# Altium PCB 2-quilter-output.pcbdoc (part 13 of 17)
Units mil, origin at the board's own origin, x right, y up, seen from the top; angles counter-clockwise.
Board outline 2728 x 2217 mil, 8 copper layers (L1_TOP, L2_GND, L3_INNER1, L4_GND, L5_PWR, L6_PWR, L7_GND, L8_BOT), stack 48.64 mil thick; 230 components, 327 nets, 1592 pads, 995 vias.
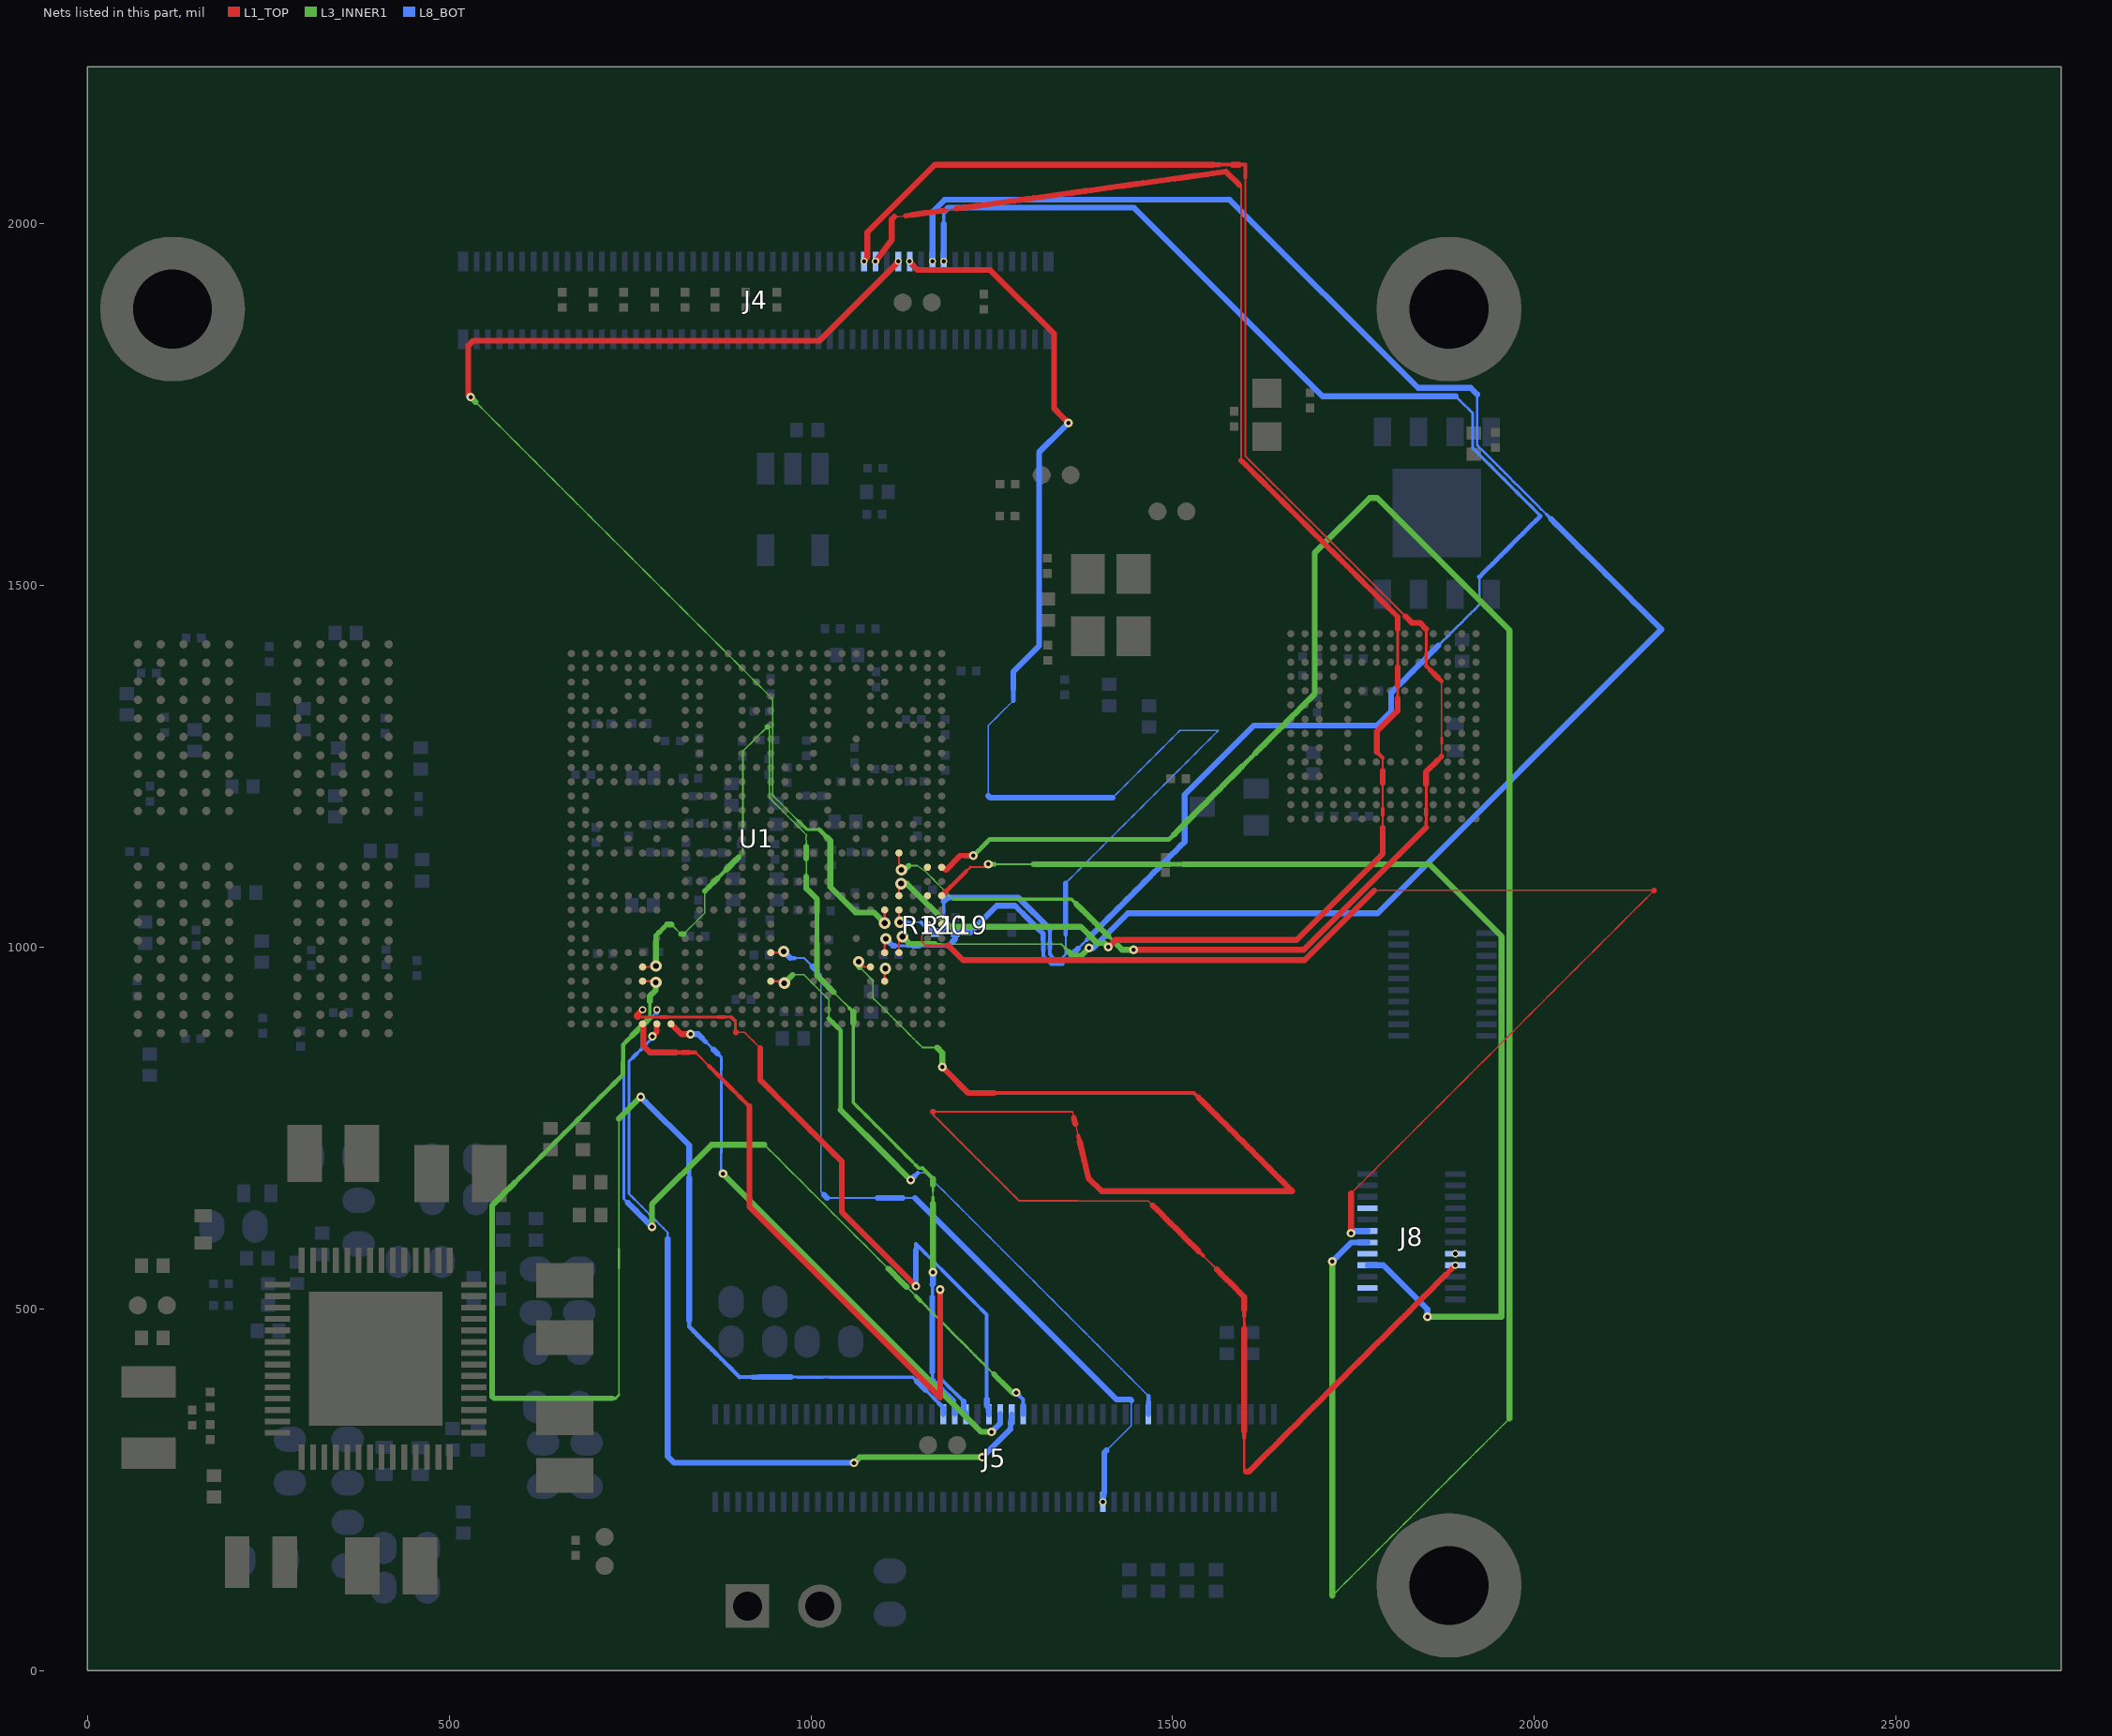
[diagram p19: the nets of this part, all layers, seen from the top]

## Via types
v1: diameter 12.01, hole 5.91, L1_TOP to L8_BOT, tented both sides, 409 vias
v2: diameter 16, hole 8, L1_TOP to L8_BOT, tented both sides, 329 vias
v3: diameter 10, hole 6, L1_TOP to L8_BOT, tented both sides, 205 vias
v4: diameter 16, hole 8, L1_TOP to L8_BOT, tented top, 52 vias

## Nets (pads, with @x,y where several pads share a name; then routed paths per layer and width w, separated by ;. In a path a pad name is that pad's centre, name@x,y a point inside that pad or via, vN(x,y) a via of type N, cw(c..) or ccw(c..) an arc to the next point about the centre after c; other vN are vias at no path point) (continued)
SAI2_TXD: J8.17 U1.AC22 | length 2543.6
  L1_TOP w2.2: 1168.86,772.64 1173.66,772.64 1182.6,772.64 1191.55,772.64 1200.5,772.64 1209.44,772.64 1218.39,772.64 1227.34,772.64 1236.29,772.64 1245.23,772.64 1254.18,772.64 1263.13,772.64 1272.07,772.64 1281.02,772.64 1289.97,772.64 1298.92,772.64 1307.86,772.64 1316.81,772.64 1325.76,772.64 1334.71,772.64 1343.65,772.64 1352.6,772.64 1361.55,772.64 1363.53,764.33 ; 1365.51,756.02 1367.5,747.71 1369.48,739.4 ; 1368.18,649.41 1377.1,649.41 1386.02,649.41 1394.93,649.41 1403.85,649.41 1412.77,649.41 1421.69,649.41 1430.61,649.41 1439.53,649.41 1448.45,649.41 1457.36,649.41 1466.28,649.41 1472.6,643.1 ; 1542.05,573.65 1548.36,567.33 1554.68,561.02
  L1_TOP w2.79: 1168.86,772.63 1168.86,768.47 1170.86,766.46 1177.03,760.3 1183.19,754.14 1189.35,747.98 1195.51,741.82 1201.67,735.66 1207.83,729.5 1213.99,723.34 1220.15,717.18 1226.31,711.02 1232.47,704.86 1238.63,698.7 1244.79,692.53 1250.95,686.37 1257.11,680.21 1263.27,674.05 1269.43,667.89 1275.59,661.73 1281.75,655.57 1287.91,649.41 1296.83,649.41 1305.75,649.41 1314.67,649.41 1323.59,649.41 1332.5,649.41 1341.42,649.41 1350.34,649.41 1359.26,649.41 1368.18,649.41 ; 1554.68,561.02 1560.99,554.71
  L1_TOP w3: v2(1066.04,979.95) 1073.25,972.74 U1.AC22@1082.37,972.74
  L1_TOP w3.37: 1598.87,322.03 1598.87,313.17 1598.87,304.32 1598.87,295.47 1598.87,286.61 1598.87,277.76 1601.39,275.23 ; 1598.87,481.41 1598.87,490.26
  L1_TOP w3.96: 1598.87,472.55 1598.87,481.41
  L1_TOP w5.13: 1253.19,798.61 1262.1,798.61 1271.01,798.61 1279.92,798.61 1288.83,798.61 1297.74,798.61 1306.65,798.61 1315.56,798.61 1324.47,798.61 1333.38,798.61 1342.29,798.61 1351.2,798.61 1360.11,798.61 1369.02,798.61 1377.93,798.61 1386.84,798.61 1395.75,798.61 1404.66,798.61 1413.57,798.61 1422.48,798.61 1431.39,798.61 1440.3,798.61 1449.21,798.61 1458.12,798.61 1467.03,798.61 1475.94,798.61 1484.85,798.61 1493.76,798.61 1502.67,798.61 1511.58,798.61 1520.49,798.61 1529.4,798.61 1535.57,792.44 ; 1535.73,579.96 1542.05,573.65
  L1_TOP w5.71: 1369.48,739.4 1371.46,731.09 ; 1598.87,322.03 1598.87,330.88
  L1_TOP w6.29: 1598.87,490.26 1598.87,499.11
  L1_TOP w6.88: 1877.94,547.95 1884.28,554.29
  L1_TOP w7.46: 1884.28,554.29 v3(1890.63,560.63)
  L1_TOP w8.05: v1(1181.72,834.44) 1188.74,827.42 1217.55,798.61 1226.46,798.61 1235.37,798.61 1244.28,798.61 1253.19,798.61 ; 1363.53,764.33 1365.51,756.02 ; 1371.46,731.09 1373.45,722.77 1375.43,714.46 1377.41,706.15 1379.4,697.84 1381.38,689.53 1383.36,681.22 1401.8,662.78 1665.21,662.78 1659.04,668.97 1652.87,675.14 1646.7,681.31 1640.52,687.49 1634.35,693.66 1628.18,699.83 1622,706.01 1615.83,712.18 1609.66,718.35 1603.48,724.53 1597.31,730.7 1591.14,736.88 1584.96,743.05 1578.79,749.22 1572.61,755.4 1566.44,761.57 1560.27,767.74 1554.09,773.92 1547.92,780.09 1541.75,786.26 1535.57,792.44 ; 1472.6,643.1 1478.91,636.78 1485.22,630.47 1491.54,624.16 1497.85,617.84 1504.17,611.53 1510.48,605.22 1516.79,598.9 1523.11,592.59 1529.42,586.27 1535.73,579.96 ; 1560.99,554.71 1567.3,548.39 1573.62,542.08 1579.93,535.76 1586.24,529.45 1592.56,523.14 1598.87,516.82 1598.87,507.97 1598.87,499.11 ; 1598.87,330.88 1598.87,339.74 1598.87,348.59 1598.87,357.45 1598.87,366.3 1598.87,375.15 1598.87,384.01 1598.87,392.86 1598.87,401.72 1598.87,410.57 1598.87,419.43 1598.87,428.28 1598.87,437.13 1598.87,445.99 1598.87,454.84 1598.87,463.7 1598.87,472.55 ; 1601.39,275.23 1605.23,275.23 1611.58,281.58 1617.92,287.92 1624.26,294.26 1630.6,300.61 1636.94,306.95 1643.29,313.29 1649.63,319.63 1655.97,325.97 1662.31,332.32 1668.65,338.66 1675,345 1681.34,351.34 1687.68,357.69 1694.02,364.03 1700.36,370.37 1706.71,376.71 1713.05,383.05 1719.39,389.4 1725.73,395.74 1732.07,402.08 1738.42,408.42 1744.76,414.76 1751.1,421.11 1757.44,427.45 1763.78,433.79 1770.13,440.13 1776.47,446.47 1782.81,452.82 1789.15,459.16 1795.49,465.5 1801.84,471.84 1808.18,478.18 1814.52,484.53 1820.86,490.87 1827.2,497.21 1833.55,503.55 1839.89,509.89 1846.23,516.24 1852.57,522.58 1858.91,528.92 1865.26,535.26 1871.6,541.6 1877.94,547.95
  L3_INNER1 w2.2: v2@1067.13,972.54 1073.41,966.26 1079.69,959.98 1085.97,953.7 1085.97,945.71 1085.97,937.71 1085.97,929.71 1092.18,923.5 1098.39,917.29 1104.6,911.08 1110.81,904.87 1117.02,898.66 1123.23,892.45 1129.44,886.24 1135.65,880.03 1141.86,873.82 1148.07,867.61 1154.28,861.4
  L3_INNER1 w2.79: 1154.28,861.4 1160.98,861.4 1167.68,861.4 1174.38,861.4
  L3_INNER1 w8.05: v2@1066.04,979.94 1067.13,977.92 v2@1067.13,972.54 ; 1174.38,861.4 1181.72,854.06 1181.72,843.95 v1(1181.72,834.44)
SAI2_TXFS: J8.15 U1.AD23 | length 17.8
  L1_TOP w3: U1.AD23@1102.05,953.05 1102.05,966.16 1102.89,967 v2(1102.89,970.5)
  other v3: 1890.63,576.38
SAI3_MCLK: J5.41 U1.AD6 | length 2039.5
  L1_TOP w3: U1.AD6@767.41,953.05 782.06,953.05 783.59,951.52 v2(785.71,951.52)
  L3_INNER1 w2.2: 734.83,381.43 734.83,385.88 734.83,394.86 734.83,403.85 734.83,412.83 734.83,421.81 734.83,430.79 734.83,439.78 734.83,448.76 734.83,457.74 734.83,466.72 734.83,475.7 734.83,484.69 734.83,493.67 734.83,502.65 734.83,511.63 734.83,520.61 734.83,529.6 734.83,538.58 734.83,547.56 734.83,556.54 ; 734.83,583.49 734.83,592.47 734.83,601.45 734.83,610.44 734.83,619.42 734.83,628.4 734.83,637.38 734.83,646.37 734.83,655.35 734.83,664.33 734.83,673.31 734.83,682.29 734.83,691.28 734.83,700.26 734.83,709.24 734.83,718.22 734.83,727.2 734.83,736.19 734.83,745.17 734.83,754.15 734.83,763.13
  L3_INNER1 w2.79: 734.83,574.51 734.83,583.49
  L3_INNER1 w3.37: 729.93,376.52 734.83,381.43 ; 734.83,556.54 734.83,565.53 734.83,574.51
  L3_INNER1 w3.96: 777.53,902.45 777.53,910 777.53,917.55
  L3_INNER1 w4.54: 725.85,376.52 729.93,376.52 ; 777.53,917.55 777.53,925.09
  L3_INNER1 w5.71: 740.38,840.55 740.38,848.8 740.38,857.05 740.38,865.3 746.57,871.49 752.76,877.68
  L3_INNER1 w6.29: 590.78,674.46 597.02,680.69 603.25,686.92 609.48,693.15 615.72,699.39 621.95,705.62 628.18,711.85 634.42,718.09 640.65,724.32 646.88,730.55 653.12,736.79 659.35,743.02 665.58,749.25 671.82,755.49 678.05,761.72 684.28,767.95 690.52,774.19 696.75,780.42 702.98,786.65 709.21,792.89 715.45,799.12 721.68,805.35 727.91,811.59 734.15,817.82 740.38,824.05 740.38,832.3 740.38,840.55
  L3_INNER1 w7.46: 559.61,379.19 562.28,376.52 570.9,376.52 579.5,376.52 588.11,376.52 596.72,376.52 605.33,376.52 613.94,376.52 622.55,376.52 631.15,376.52 639.76,376.52 648.37,376.52 656.98,376.52 665.59,376.52 674.2,376.52 682.81,376.52 691.41,376.52 700.02,376.52 708.63,376.52 717.24,376.52 725.85,376.52
  L3_INNER1 w8.05: 559.61,379.19 559.61,643.29 565.85,649.52 572.08,655.76 578.32,661.99 584.55,668.22 590.78,674.46 ; 734.83,763.13 758.14,786.45 v1(764.88,793.18) ; 752.76,877.68 758.96,883.88 765.15,890.07 771.34,896.26 777.53,902.45 ; 777.53,925.09 777.53,932.64 785.7,940.81 v2(785.71,951.52)
  L8_BOT w3.96: 972.37,405.91 981.23,405.91 ; 1016.68,405.91 1025.54,405.91
  L8_BOT w4.54: 981.23,405.91 990.1,405.91 998.96,405.91 1007.82,405.91 1016.68,405.91 ; 1025.54,405.91 1034.4,405.91 1043.26,405.91 1052.12,405.91 1060.98,405.91 1069.85,405.91 1078.71,405.91 1087.57,405.91 1096.43,405.91 1105.29,405.91 1114.15,405.91 1123.01,405.91 1131.87,405.91 1140.73,405.91 1146.77,399.87 ; 1158.85,387.79 1164.89,381.75 1170.93,375.71 1176.97,369.67
  L8_BOT w5.13: 901.48,405.91 910.35,405.91 919.21,405.91
  L8_BOT w5.71: 869.86,437.53 876.19,431.21 882.51,424.89 888.83,418.56 895.16,412.24 901.48,405.92
  L8_BOT w6.29: 831.92,484.43 831.92,475.47 838.25,469.15 844.57,462.83 850.89,456.5 857.22,450.18 863.54,443.86 869.86,437.53 ; 831.92,681.37 831.92,690.32 831.92,699.28 ; 1176.97,369.67 J5.41@1183.01,363.63
  L8_BOT w6.88: 919.21,405.91 928.07,405.91
  L8_BOT w7.46: J5.41@1183.02,354.53 1183.01,359.08 J5.41@1183.01,363.63
  L8_BOT w8.05: v1(764.88,793.18) 771.82,786.23 831.92,726.13 831.92,717.18 831.92,708.23 831.92,699.28 ; 831.92,484.43 831.92,493.38 831.92,502.33 831.92,511.28 831.92,520.23 831.92,529.19 831.92,538.14 831.92,547.09 831.92,556.04 831.92,564.99 831.92,573.95 831.92,582.9 831.92,591.85 831.92,600.8 831.92,609.75 831.92,618.71 831.92,627.66 831.92,636.61 831.92,645.56 831.92,654.52 831.92,663.47 831.92,672.42 831.92,681.37 ; 928.07,405.91 936.93,405.91 945.79,405.91 954.65,405.91 963.51,405.91 972.37,405.91 ; 1146.77,399.87 1152.81,393.83 1158.85,387.79
SAI3_RXC: J5.53 U1.AG7 | length 1152.9
  L1_TOP w8.05: v1(781.04,876.87) 787.09,882.92 U1.AG7@787.09,893.99
  L3_INNER1 w8.05: v1(1059.6,287.46) 1067.4,295.26 v1(1236.97,295.26)
  L8_BOT w2.79: 748.55,659.4 754.51,653.44 760.47,647.48 766.44,641.51 772.4,635.55 778.36,629.59 784.33,623.63 790.29,617.66 796.25,611.7 802.22,605.74 802.22,596.9
  L8_BOT w3.96: 748.55,659.4 748.55,668.11 748.55,676.81 748.55,685.51 748.55,694.21 748.55,702.92 748.55,711.62 748.55,720.32 748.55,729.03 748.55,737.73 748.55,746.43 748.55,755.13 748.55,763.84 748.55,772.54 748.55,781.24 748.55,789.95 748.55,798.65 748.55,807.35 748.55,816.06 748.55,824.76 748.55,833.46 748.55,842.16 753.96,847.58 ; 759.38,852.99 764.79,858.41 ; 770.21,863.82 775.62,869.24 v1@781.04,874.65
  L8_BOT w5.13: 764.79,858.41 770.21,863.82
  L8_BOT w5.71: 753.96,847.58 759.38,852.99
  L8_BOT w7.46: 1275.53,333.83 J5.53@1276.19,340.73 ; J5.53@1276.84,347.63 J5.53@1277.51,354.53
  L8_BOT w8.05: v1@781.04,874.65 v1(781.04,876.87) ; 802.22,596.9 802.22,588.06 802.22,579.21 802.22,570.37 802.22,561.53 802.22,552.69 802.22,543.85 802.22,535.01 802.22,526.17 802.22,517.33 802.22,508.49 802.22,499.65 802.22,490.81 802.22,481.97 802.22,473.13 802.22,464.28 802.22,455.44 802.22,446.6 802.22,437.76 802.22,428.92 802.22,420.08 802.22,411.24 802.22,402.4 802.22,393.56 802.22,384.72 802.22,375.88 802.22,367.04 802.22,358.19 802.22,349.35 802.22,340.51 802.22,331.67 802.22,322.83 802.22,313.99 802.22,305.15 802.22,296.31 811.05,287.46 v1(1059.6,287.46) ; v1(1236.97,295.26) 1275.53,333.83 ; J5.53@1276.19,340.73 J5.53@1276.84,347.63
SAI3_RXD: J5.55 U1.AF7 | length 1079.6
  L3_INNER1 w2.2: 935.79,727.08 942.13,720.74 948.47,714.4 954.82,708.05 961.16,701.71 967.5,695.37 973.84,689.03 980.18,682.68 986.53,676.34 992.87,670 999.21,663.66 1005.55,657.32 1011.89,650.97 1018.24,644.63 1024.58,638.29 1030.92,631.95 1037.26,625.61 1043.61,619.26 1049.95,612.92 1056.29,606.58 1062.63,600.24 1068.97,593.89 1075.32,587.55 1081.66,581.21 1088,574.87 1094.34,568.53 1100.69,562.18 1107.03,555.84 ; 1132.4,530.47 1138.74,524.13 1145.08,517.79 ; 1240.21,422.65 1246.56,416.31
  L3_INNER1 w2.79: 1246.56,416.31 1252.9,409.97
  L3_INNER1 w3.37: 1151.42,511.45 1157.77,505.1 1164.11,498.76 1170.45,492.42 1176.79,486.08 1183.13,479.73 1189.48,473.39 1195.82,467.05 1202.16,460.71 1208.5,454.37 1214.85,448.02 1221.19,441.68 1227.53,435.34 1233.87,429 1240.21,422.65
  L3_INNER1 w5.71: 1145.08,517.79 1151.42,511.45
  L3_INNER1 w7.46: 1252.9,409.97 1259.24,403.63 1265.58,397.29 1271.92,390.94 1278.27,384.6 v1(1283.71,384.6)
  L3_INNER1 w8.05: v1(780.4,613.49) 780.4,644.63 862.86,727.08 935.79,727.08 ; 1107.03,555.84 1113.37,549.5 1119.71,543.16 1126.05,536.81 1132.4,530.47
  L8_BOT w3.37: 741.57,864.84 747.26,870.53 752.95,876.22 ; 775.71,898.98 781.4,904.67 v3@787.09,910.36
  L8_BOT w3.96: 741.57,864.84 741.57,855.98 741.57,847.13 741.57,838.28 741.57,829.42 741.57,820.57 741.57,811.71 741.57,802.86 741.57,794.01 741.57,785.15 741.57,776.3 741.57,767.44 741.57,758.59 741.57,749.74 741.57,740.88 741.57,732.03 741.57,723.17 741.57,714.32 741.57,705.47 741.57,696.61 741.57,687.76 741.57,678.9 741.57,670.05 741.57,661.2 741.57,652.34 747.01,646.89 ; 752.95,876.22 758.64,881.91 764.33,887.6 770.02,893.29 775.71,898.98
  L8_BOT w5.13: 1288.48,379.83 1293.25,375.07 J5.55@1293.25,368.22
  L8_BOT w5.71: v1(1283.71,384.6) 1288.48,379.83
  L8_BOT w6.29: J5.55@1293.25,361.37 J5.55@1293.25,368.22
  L8_BOT w7.46: J5.55@1293.25,354.53 J5.55@1293.25,361.37
  L8_BOT w8.05: 747.01,646.89 752.45,641.45 757.89,636 763.34,630.56 768.78,625.12 774.22,619.67 v1(780.4,613.49) ; v3@787.09,910.36 v3(787.09,913.68)
SAI3_RXFS: J5.51 U1.AG8 | length 798.4
  L1_TOP w8.05: U1.AG8@806.78,893.99 820.88,879.89 827.23,879.89 v1(833.59,879.89)
  L3_INNER1 w8.05: v1(878.69,687.15) 1235.67,330.17 v1(1249.53,330.17)
  L8_BOT w3.37: v1@876.05,689.8 876.05,698.58 876.05,707.37 876.05,716.16 ; 876.05,821.59 876.05,830.38
  L8_BOT w3.96: 854.76,869.25 860.08,863.92 865.41,858.6 ; 870.73,853.28 876.05,847.95 876.05,839.17 876.05,830.38 ; 876.05,716.16 876.05,724.94 876.05,733.73 876.05,742.52 876.05,751.3 876.05,760.09 876.05,768.88 876.05,777.66 876.05,786.45 876.05,795.24 876.05,804.02 876.05,812.81 876.05,821.59
  L8_BOT w5.71: v1@876.05,689.8 v1@878.69,687.15
  L8_BOT w6.29: 849.44,874.57 854.76,869.25
  L8_BOT w8.05: v1(833.59,879.89) 844.12,879.89 849.44,874.57 ; 865.41,858.6 870.73,853.28 ; v1(1249.53,330.17) 1254.7,335.34 1261.75,342.39 J5.51@1261.76,354.53
SAI3_TXC: J5.45 U1.AG6 | length 1059.2
  L1_TOP w2.79: 840.4,854.63 846.62,848.42 852.83,842.2 859.05,835.99
  L1_TOP w5.71: 831.41,854.63 840.4,854.63 ; 859.05,835.99 865.26,829.77 871.47,823.56 877.69,817.34 883.9,811.13 890.12,804.92 896.33,798.7 902.55,792.49 908.76,786.27 914.97,780.06
  L1_TOP w6.29: 813.43,854.63 822.42,854.63
  L1_TOP w7.46: 822.42,854.63 831.41,854.63
  L1_TOP w8.05: U1.AG6@767.41,893.99 768.48,893.99 768.48,863.62 777.47,854.63 786.46,854.63 795.45,854.63 804.44,854.63 813.43,854.63 ; 914.97,780.06 914.97,641.73 1178.67,378.03 ; 1178.69,378.04 1178.69,517.01 v1(1178.69,526.79)
  L8_BOT w5.13: 1178.69,413.18 1178.69,404.64 1184.65,398.67 1190.62,392.7 1196.59,386.73 1202.56,380.76 1208.53,374.79
  L8_BOT w5.71: 1208.53,374.79 1211.1,372.22
  L8_BOT w8.05: 1178.69,413.18 1178.69,421.72 1178.69,430.26 1178.69,438.8 1178.69,447.35 1178.69,455.89 1178.69,464.43 1178.69,472.97 1178.69,481.51 1178.69,490.05 1178.69,498.59 1178.69,507.13 1178.69,515.67 v1(1178.69,526.79) ; 1211.1,372.22 1211.1,360.5 J5.45@1214.52,354.53
SAI3_TXD: J5.49 U1.AF6 | length 963.4
  L1_TOP w2.2: 896.75,882.29 902.54,882.29 908.34,882.29 913.77,876.86 919.2,871.43 924.63,866 930.06,860.57
  L1_TOP w3.96: 760.55,903.53 766.05,903.53 774.89,903.53 783.74,903.53 792.58,903.53 ; 801.43,903.53 810.27,903.53 819.12,903.53 827.96,903.53 836.81,903.53 845.65,903.53 854.5,903.53 863.34,903.53 872.19,903.53 ; 881.03,903.53 889.88,903.53 ; 895.68,883.35 895.68,890.54 895.68,897.73
  L1_TOP w4.54: 889.88,903.53 895.68,897.73
  L1_TOP w5.13: 872.19,903.53 881.03,903.53
  L1_TOP w5.71: 792.58,903.53 801.43,903.53
  L1_TOP w6.29: 895.68,883.35 896.54,882.5
  L1_TOP w7.46: 896.54,882.5 896.75,882.29 ; 949.12,797.61 955.47,791.25 961.83,784.9
  L1_TOP w8.05: 760.55,903.53 758.88,905.21 v3(767.41,913.68) ; 930.06,860.57 930.06,816.67 936.41,810.31 942.77,803.96 949.12,797.61 ; 961.83,784.9 968.18,778.55 974.53,772.2 980.88,765.84 987.24,759.49 993.59,753.14 999.94,746.78 1006.3,740.43 1012.65,734.08 1019,727.72 1025.36,721.37 1031.71,715.02 1038.06,708.67 1042.83,703.9 1042.83,633.97 1136.43,540.37 v1(1145.16,531.63)
  L8_BOT w4.54: 1169.67,565.48 1175.8,559.35 1181.92,553.23
  L8_BOT w5.13: 1145.16,581.64 1145.16,589.97 ; 1145.17,589.98 1151.3,583.85 1157.42,577.73 1163.55,571.6 1169.67,565.48 ; 1181.92,553.23 1188.05,547.1 1194.17,540.98 1200.3,534.85 1206.42,528.73 1212.55,522.6 1218.67,516.48 1224.79,510.35 1230.92,504.23 1237.04,498.1 1243.17,491.98 1243.17,483.01 1243.17,474.03 1243.17,465.06 1243.17,456.09 1243.17,447.12 1243.17,438.14 1243.17,429.17 1243.17,420.2 1243.17,411.22 1243.17,402.25 1243.17,393.28 1243.17,384.31 1243.17,375.33
  L8_BOT w8.05: v1(1145.16,531.63) 1145.16,539.97 1145.16,548.3 1145.16,556.64 1145.16,564.97 1145.16,573.3 1145.16,581.64 ; 1243.17,375.33 1243.17,366.36 1245.08,364.45 J5.49@1246.02,354.53
SAI3_TXFS: J5.43 U1.AC6 | length 1506.4
  L1_TOP w3: U1.AC6@767.41,972.74 784.56,972.74 v2(785.96,974.14)
  L3_INNER1 w2: 807.42,1031.33 812.41,1026.33 817.41,1021.34 820.5,1018.25 ; 824.31,1018.25 828.01,1021.95 833.62,1027.55 838.59,1032.52 843.56,1037.49 848.52,1042.45 853.49,1047.42 853.49,1054.97 853.49,1062.52 853.49,1070.08 853.49,1077.63 ; 906.14,1271 911.74,1276.6 917.33,1282.19 922.93,1287.79 928.52,1293.39 934.12,1298.98 939.72,1304.58 942.94,1301.36 942.94,1292.71 942.94,1284.06 942.94,1275.41 942.94,1266.76 942.94,1258.11 942.94,1249.46 942.94,1240.81 942.94,1232.16 942.94,1223.51 942.94,1214.86 942.94,1206.21 949.26,1199.88 955.59,1193.55 961.92,1187.22 968.25,1180.89 974.58,1174.56 980.91,1168.24 987.23,1161.91 993.56,1155.58 993.56,1153.8 993.39,1151.77 993.37,1149.54 993.56,1147.13 993.56,1138.87 ; 993.56,1097.61 993.56,1105.86 993.56,1114.12 993.56,1122.37
  L3_INNER1 w2.2: 900.29,1124.43 906.14,1130.28 906.14,1139.08 906.14,1147.87 906.14,1156.67 906.14,1165.46 ; 906.14,1174.26 906.14,1183.05 906.14,1191.85 906.14,1200.64 906.14,1209.44 906.14,1218.23 906.14,1227.03 906.14,1235.82 906.14,1244.62 906.14,1253.41 906.14,1262.21 906.14,1271 ; 1031.69,937.67 1037.48,931.88 1042.77,926.6 1048.05,921.31 1053.34,916.03 ; 1168.8,654.44 1168.8,662.97
  L3_INNER1 w3.37: 906.14,1165.46 906.14,1174.26 ; 1168.8,662.97 1168.8,671.5
  L3_INNER1 w3.96: 1138.24,705.59 1144.36,699.46
  L3_INNER1 w4.54: 871.04,1095.19 876.89,1101.03 882.74,1106.88 ; 1058.62,802.11 1058.62,793.66 1058.62,785.2 1064.75,779.08 1070.87,772.95 1077,766.83 1083.12,760.7 1089.24,754.58 1095.37,748.46 1101.49,742.33 1107.62,736.21 1113.74,730.08 1119.86,723.96 1125.99,717.84 1132.11,711.71 1138.24,705.59 ; 1058.62,861.3 1058.62,869.76 ; 1058.62,886.67 1058.62,895.13 ; 1144.36,699.46 1148.95,694.87 1153.97,694.87 ; 1168.8,645.9 1168.8,654.44
  L3_INNER1 w5.13: 1053.34,916.03 1058.62,910.74 ; 1058.62,802.11 1058.62,810.57 1058.62,819.02 1058.62,827.48 1058.62,835.94 1058.62,844.39 1058.62,852.85 1058.62,861.3 ; 1058.62,869.76 1058.62,878.22 1058.62,886.67 ; 1153.97,694.87 1159.93,688.91 1164.37,684.47 1168.8,680.04
  L3_INNER1 w6.29: 790.99,1021.27 796.02,1026.3 801.04,1031.33 ; 1008.49,1004.75 1008.49,1013.52 1008.49,1022.3 1008.49,1031.08 1008.49,1039.85
  L3_INNER1 w6.88: 785.96,1007.83 785.96,1016.25 790.99,1021.27 ; 1008.49,1039.85 1008.49,1048.63
  L3_INNER1 w7.46: 853.49,1077.64 859.34,1083.49 865.19,1089.34
  L3_INNER1 w8.05: v2@785.96,974.15 785.96,982.57 785.96,990.99 785.96,999.41 785.96,1007.83 ; 801.04,1031.33 807.42,1031.33 ; 820.5,1018.25 824.31,1018.25 ; 865.19,1089.34 871.04,1095.19 ; 882.74,1106.88 888.59,1112.73 894.44,1118.58 900.29,1124.43 ; 993.56,1097.61 993.56,1089.36 993.56,1081.11 1008.49,1066.18 1008.49,1057.4 1008.49,1048.63 ; 993.56,1122.37 993.56,1130.62 993.56,1138.87 ; 1008.49,1004.75 1008.49,995.97 1008.49,987.2 1008.49,978.42 1008.49,969.65 1008.49,960.87 1014.31,955.05 1020.1,949.26 1025.9,943.47 1031.69,937.67 ; 1058.62,895.13 1058.62,910.74 ; v1(1168.8,550.77) 1168.8,560.57 1168.8,569.11 1168.8,577.64 1168.8,586.17 1168.8,594.71 1168.8,603.24 1168.8,611.77 1168.8,620.31 1168.8,628.84 1168.8,637.37 1168.8,645.9 ; 1168.8,671.5 1168.8,680.04
  L8_BOT w4.54: 1167.87,412.97 1167.87,404.35 1174.05,398.18 1180.23,392 1186.4,385.82 1192.58,379.64 1198.76,373.46 J5.43@1198.76,367.15 ; 1167.87,516.39 1167.87,525 1167.87,533.62
  L8_BOT w6.88: J5.43@1198.77,354.53 1198.76,360.84 J5.43@1198.76,367.15